# Altium PCB ZCTX-31main190715 - 副本.PcbDoc (continued)
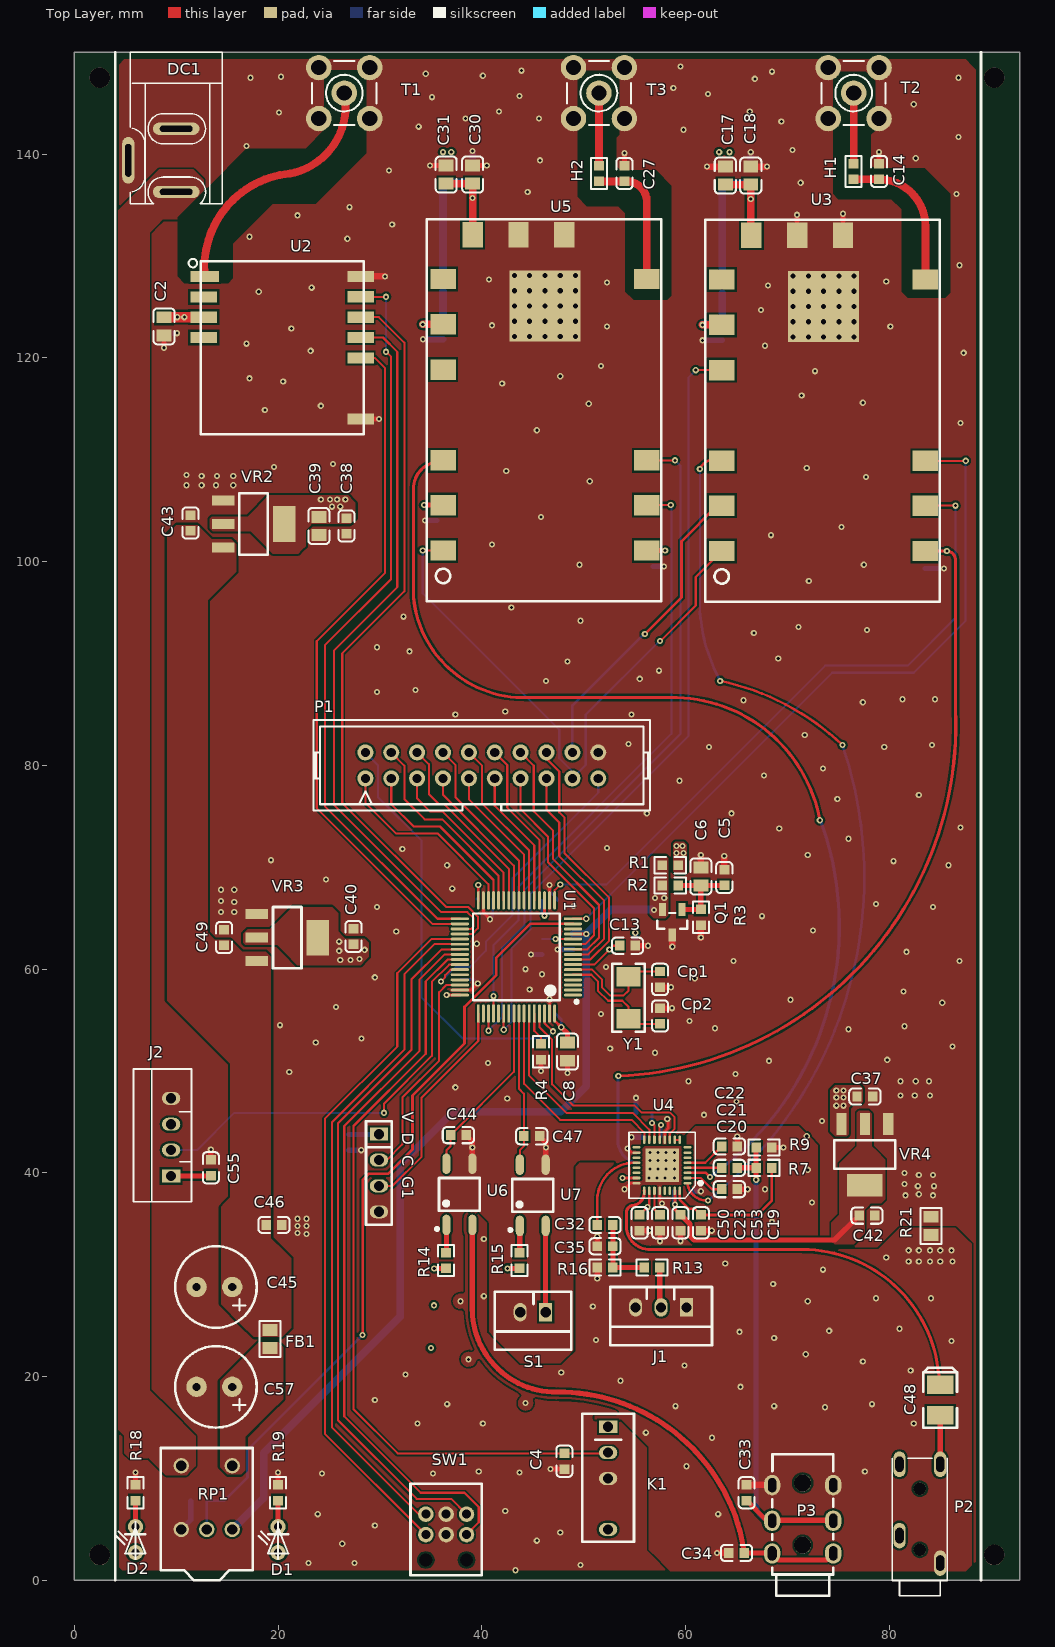
[diagram p0: Top Layer view]
## Footprints (in the part's own frame and the unit in brackets; to place one, negate y for a bottom-side part, rotate by r counter-clockwise, add the part's x,y. Pads: shape width x height; smd on the part's side, far side on the other; paste and mask are expansions set on the pad) (continued)
XD_KG [mil]
  round 60 hole 35: 1(-78.74,0) 2(0,0) 3(78.74,0) 4(-78.74,78.74) 5(0,78.74) 6(78.74,78.74)
  round 0 hole 51.18: 7(-78.74,-98.43) 8(78.74,-98.43)
  silkscreen extent -138,-157 138,197
XH2.54-4P [mm]
  rect 1.27x1.8 hole 1: 1(0,0)
  oval 1.27x1.8 hole 1: 2(2.54,0) 3(5.08,0) 4(7.62,0)
  silkscreen extent -2.54,-2 10.5,3.7
XH-2 [mm]
  rect 1.27x1.8 hole 1: 1(0,0)
  oval 1.27x1.8 hole 1: 2(2.5,0)
  silkscreen extent -2.5,-2 5,3.7
XH-3 [mm]
  rect 1.27x1.8 hole 1: 1(0,0)
  oval 1.27x1.8 hole 1: 2(2.5,0) 3(5,0)
  silkscreen extent -2.5,-2 7.5,3.7

## Part data
C1 C3 C4 C5 C7 C16 C24 C26 C29 C34 C36 C37 C38 C40 C41 C42 C43 C44 C46 C47 C49 C51 C53 C54 C55 C56: library part "0603 100nF (104) 10% 50V", "贴片电容"
C2 C6 C8 C17 C30 C39: library part "0805 10uF (106) 10% 25V", "贴片电容"
C9 C10 C11 C12 C35: library part "0603 10nF (103) 10% 50V", "贴片电容"
C13 C20 C21 C22 C32: library part "0603 1uF (105) 10% 50V", "贴片电容"
C14 C27: library part "0603 2.0pF (020) 0.25pF 50V", "贴片电容"
C18 C31: library part "0805 100nF(104) 10% 50V", "贴片电容"
C19 C23: library part "0603 4.7uF (475) 10% 16V", "贴片电容"
C25 C28 C50: library part "0603 10uF (106) 10% 10V", "贴片电容"
C33: library part "0603 220pF (221) 10% 50V", "贴片电容"
C45 C57: library part C+
C48: library part "3528 100uF (107) 10% 6.3V", "钽电容"
Cp1 Cp2: library part "0603 20pF (200) 5% 50V", "贴片电容"
FB1 R21: library part "0805 600Ω 25% 100MHz", "贴片磁珠"
H1 H2: library part "0603 12nH 5%", "贴片电感"
P1: "Header, 10-Pin, Dual row"
P3: library part PHONE3
Q1: "电压基准"
R1: library part "0603 100Ω (1000) 1%", "贴片电阻"
R2: library part "0603 2KΩ (2001) 1%", "贴片电阻"
R3 R11 R13: library part "0603 10KΩ (1002) 1%", "贴片电阻"
R4 R5 R6 R12: library part "0603 4.7KΩ (4701) 1%", "贴片电阻"
R7: library part "0603 680Ω (6800) 1%", "贴片电阻"
R8 R17 R20: library part "0603 0Ω (0R0) 1%", "贴片电阻"
R9: library part "0603 47KΩ (4702) 1%", "贴片电阻"
R10: library part "0603 10Ω (10R0) 1%", "贴片电阻"
R14 R15 R18 R19: library part "0603 1KΩ (1001) 1%", "贴片电阻"
R16: library part "0603 2.2KΩ (2201) 1%", "贴片电阻"
U1: "ARM"
U6 U7: library part EL357N(B)(TA)-G_[C6649], "贴片光耦"
VR2 VR3 VR4: library part "SOT-223 AMS1117-3.3", "低压差线性稳压(LDO)"
Y1: library part "SMD-5032_2P 8MHz 20ppm 20pF", "贴片晶振"

## Free pads (board coordinates)
  round 2 hole 2: 0(2.5,2.5) 0(2.5,147.5) 0(90.3,2.5) 0(90.3,147.5)

## Via types
v1: diameter 0.61, hole 0.305, Top Layer to Bottom Layer, 429 vias

## Nets (pads, with @x,y where several pads share a name; then routed paths per layer and width w, separated by ;. In a path a pad name is that pad's centre, name@x,y a point inside that pad or via, vN(x,y) a via of type N, cw(c..) or ccw(c..) an arc to the next point about the centre after c; other vN are vias at no path point)
ADC1: C1.2 RP1.12 U1.15 | length 79
  Top Layer w0.254: v1(28.3,24.1) 28.3,39.3 28.9,39.9 30.8,39.9 33.2,42.3 33.2,47.6 38.3,52.7 38.3,56.3 41.4,59.4 41.4,61.1 44.75,64.45 U1.15
  Bottom Layer w0.254: C1.2 14.7,7.8 17,10.1 17,12.8 v1(28.3,24.1) v1@28.3,24.2 ; RP1.12 C1.2@13,7.77
AF_OUT1: U3.3 U4.1 | length 91.6
  Top Layer w0.203: 62.2,109.9 U3.3
  Top Layer w0.254: U4.1 ccw(c62.05,39.15) v1(62.2,37.3) ; v1(61.4,109.1) cw(c62.875,108.425) U3.3 ; v1(63.4,88.3) cw(c58.246,63.905) v1(75.4,82)
  Bottom Layer w0.203: 61.4,94.9 v1(61.4,109.1)
  Bottom Layer w0.254: 61.4,95.1 ccw(c78.55,96.45) v1(63.4,88.3) ; v1(62.2,37.3) ccw(c37.103,69.01) v1(75.4,82)
AF_OUT2: U4.3 U5.3 | length 107.5
  Top Layer w0.254: U4.3 62,40 v1(62.4,39.6)
  Top Layer w0.305: U5.3@35.8,109.8 ccw(c35.9,107.2) 33.3,107.1 33.3,96.5 ccw(c44.15,97.55) 44.505,86.655 57.845,86.655 cw(c58.695,71.95) v1(73.181,74.615)
  Bottom Layer w0.305: v1(62.4,39.6) ccw(c44.9,64.2) v1@73.23,74.633
AGND: C19.1 C20.1 C22.1 C23.1 C24.1 C28.1 C33.2 C34.1 C35.2 C50.1 C53.1 J1.1 J1.3 P2.2 P3.1 R9.1 R16.1 R21.2 U4.24 U4.28 U4.33 | length 17.7
  Top Layer w0.254: v1(54,38.4) 54.6,39 U4.24 ; U4.28 57.45,37.25 v1(57.7,37)
  Top Layer w0.508: v1(51.33,29.63) R16.1 ; C35.2 v1(51.33,33.77) ; C50.1 v1(56.47,34.33) ; v1(57.5,33.3) C23.1 ; v1(59.5,33.3) C53.1 ; C19.1 v1(62.57,34.33) ; C20.1 v1(66.1,38.4) ; C22.1 v1(65.07,43.57) ; R9.1 v1(69.6,42.5)
  Top Layer w0.635: v1(63.1,2.7) C34.1 ; C33.2 68.48,9.37 P3.1@68.5,9.35
  Bottom Layer w0.508: C24.1 v1(56.47,34.33) ; C28.1 v1(61.5,38.2)
  other v1: 63.2,6.5 77.6,10.7 60.1,11.2 65.5,12.6 62.6,14 56.1,14.5 82.4,15.4 73.7,17 59,17.1 68.7,17.1 78.3,17.3 44.3,17.4 65.4,19 53.6,19.6 47.8,20.4 82.1,20.6 59.9,21.1 77.4,21.5 38.7,21.7 71.8,22.2 35,22.8 86.1,23.5 51.2,23.6 68.7,23.8 65.3,24.4 74.1,24.5 81,24.7 50.9,26.9 35.3,27 37.9,27.4 72,27.4 78.7,27.7 84.1,27.7 40.2,27.9 68.6,29.1 73.5,30.5 63.9,31.1 81.9,31.3 82.9,31.3 84,31.3 85,31.3 86.2,31.3 79.7,31.7 81.9,32.4 82.9,32.4 84,32.4 85,32.4 86.1,32.4 40.2,33.5 68.5,35.2 72.4,37.1 67.8,38.4 56.4,39.5 57.2,39.5 58,39.5 58.9,39.5 72,40.3 56.5,40.4 57.3,40.4 58.1,40.4 58.9,40.4 56.5,41.2 57.3,41.2 58.1,41.2 58.9,41.2 56.5,42 57.3,42 58.1,42 58.9,42 71.9,43.6
AUXR: C32.1 U4.20 | length 8.4
  Top Layer w0.254: C32.1 51.33,37.5 cw(c55.015,37.315) U4.20
CON1: SW1.1 U1.37 | length 69.7
  Top Layer w0.203: SW1.1 24.6,14.4 24.6,45.3 31.7,52.4 31.7,59.6 35.05,62.95 U1.37
CON2: SW1.3 U1.40 | length 71
  Top Layer w0.203: U1.40 36.35,61.45 33.9,59 33.9,52 26.5,44.6 26.5,16.1 34,8.6 38.3,8.6 39.7,7.2 39.7,5.7 SW1.3
CON3: SW1.4 U1.38 | length 66.8
  Top Layer w0.203: SW1.4 33.8,6.5 25.3,15 25.3,45 32.4,52.1 32.4,59.5 35.35,62.45 U1.38
CON4: SW1.6 U1.39 | length 68.7
  Top Layer w0.203: U1.39 36.05,61.95 33.1,59 33.1,52.1 25.9,44.9 25.9,15.7 33.6,8 37,8 SW1.6
DGND: U2.2
FRS_RXD1: U1.16 U3.16 | length 70.3
  Top Layer w0.203: U1.16 v1(50.25,64.95) ; U3.16 v1(87.5,109.9)
  Bottom Layer w0.203: v1(50.25,64.95) 74.4,89.1 82.4,89.1 87.5,94.2 v1(87.5,109.9)
FRS_RXD2: U1.51 U5.16 | length 68.5
  Top Layer w0.203: v1(40.65,53.95) U1.51 ; U5.16 v1(58.95,109.95)
  Bottom Layer w0.203: v1(40.65,53.95) 42,55.3 42,62.1 44.2,64.3 44.2,67.8 59.5,83.1 59.5,109.4 v1(58.95,109.95)
FRS_TXD1: U1.17 U3.17 | length 64.4
  Top Layer w0.203: 47.15,67.7 47.15,67.75 v1(47.7,68.3) ; U3.17 v1(86.5,105.5)
  Bottom Layer w0.203: v1(47.7,68.3) 52.2,68.3 73.7,89.8 81.8,89.8 86.5,94.5 v1(86.5,105.5)
FRS_TXD2: U1.52 U5.17 | length 59.4
  Top Layer w0.203: U1.52 v1(41.15,57.35) ; U5.17 v1(58.55,105.55)
  Bottom Layer w0.203: v1(41.15,57.35) 41.15,62.35 43.6,64.8 43.6,68.1 58.61,83.11 58.61,105.49 v1@58.6,105.5
G1: P1.2 U1.62 | length 43.3
  Top Layer w0.203: U1.62 46.15,54.7 46.95,53.9 v1(47,53.9)
  Bottom Layer w0.203: P1.2 29.8,80.04 29.8,76.9 34.1,72.6 34.1,57.2 38.1,53.2 46.3,53.2 v1(47,53.9)
G2: P1.4 U1.28 | length 19.9
  Top Layer w0.203: P1.4 32.4,79.98 32.4,76.7 34.4,74.7 36.1,74.7 41.65,69.15 U1.28
G3: P1.6 U1.26 | length 18.5
  Top Layer w0.203: P1.6 34.8,80.12 34.8,77.2 35.8,76.2 36.3,76.2 42.65,69.85 U1.26
G4: P1.8 U1.24 | length 17.6
  Top Layer w0.203: P1.8 37.4,80.06 37.4,76.9 43.65,70.65 U1.24
G5: P1.10 U1.22 | length 17
  Top Layer w0.203: P1.10 40,80 40,76.3 44.65,71.65 U1.22
G6: P1.12 U1.20 | length 16.3
  Top Layer w0.203: P1.12 42.5,80.04 42.5,78 42.5,75.85 45.65,72.7 U1.20
G7: P1.14 U1.10 | length 24.4
  Top Layer w0.203: P1.14 45.1,79.98 45.1,75.5 47,73.6 47,70.8 51.5,66.3 51.5,63.1 50.35,61.95 U1.10
G8: P1.16 U1.8 | length 24.7
  Top Layer w0.203: P1.16@46.35,80.65 47.6,79.4 47.6,75.4 48.1,74.9 48.1,71.4 52.5,67 52.5,62.8 50.65,60.95 U1.8
GND: "V  D  C  G1.4" C1.1 C2.1 C3.2 C4.1 C5.1 C6.1 C7.2 C8.1 C9.2 C10.2 C11.2 C12.2 C13.2 C14.1 C16.1 C17.1 C18.2 C26.1 C27.1 C29.1 C30.1 C31.2 C36.2 C37.2 C38.2 C39.1 C40.2 C41.2 C42.2 C43.2 C44.2 C45.2 C46.2 C47.2 C49.2 C51.1 C54.1 C55.1 C56.1 C57.2 Cp1.1 Cp2.1 DC1.2 DC1.3 J2.4 K1.3 P1.20 Q1.3 R3.1 R4.2 R8.2 R10.2 R11.1 R18.1 R19.1 R21.1 RP1.11 S1.2 SW1.2 SW1.5 T1.2 T2.2 T3.2 U1.18 U1.31 U1.47 U1.63 U2.9 U2.16 U3.9 U3.10 U4.12 U4.18 U5.9 U5.10 U6.3 U7.3 VR2.1 VR3.1 VR4.1 | length 78.2
  Top Layer w0.229: v1(54.292,42.4) 54.3,42.4 54.7,42 U4.18 ; U4.12 57.95,44.05 58.3,44.4 58.3,45.2 v1(58.2,45.3)
  Top Layer w0.254: U1.63 v1(46.65,57.05)
  Top Layer w0.279: U1.47 38.95,57.95 v1(39.6,58.6) ; U1.31 40.15,65.55 v1(40.8,64.9) ; U1.18 v1(46.65,68.25)
  Top Layer w0.508: R18.1 v1(6,10.6) ; v1(8.8,121) C2.1 ; C55.1 v1(13.4,42.3) ; R19.1 v1(20,10.6) ; U2.9 v1(29.898,114.002) ; v1(34.91,138.89) C31.2 ; C44.2 39.07,43.1 v1(39.07,42.5) U6.3 ; C30.1 v1(40.49,138.89) ; C47.2 46.27,43 v1@46.27,42.5 ; v1(45.8,50) R4.2 ; U7.3 v1@46.27,42.5 ; v1(46.3,42.5) v1@46.27,42.5 ; v1(46.73,10.93) C4.1 ; v1(48.4,49.8) C8.1 ; C27.1 v1(54,140.1) ; C13.2 v1(56.3,62.3) ; Cp2.1 v1(58.67,56.17) ; Cp1.1 v1(58.57,58.23) ; U3.9@70.95,132.05 v1(70.95,134.05) ; U3.10 v1(75.45,134.15) ; C14.1 v1(79,140.2)
  Top Layer w0.635: U2.16 v1(30.496,127.996) ; v1(58.7,62.2) Q1.3 ; v1(61.5,63.1) R3.1 ; C6.1 v1(61.5,71.2) ; v1(62.11,138.79) C17.1 ; C5.1 v1(63.8,71.1) ; C18.2 v1(67.99,138.79)
  Bottom Layer w0.279: C9.2 39.23,58.97 v1(39.6,58.6) ; v1(40.8,64.9) 41.07,65.17 C10.2 ; v1(46.65,68.25) 46.65,67.65 47.42,66.88 C11.2
  Bottom Layer w0.508: C3.2 v1(10.07,122.43) ; RP1.11 11.43,5.93 C1.1 ; C56.1 v1(28.17,42.23) ; v1(34.43,104.03) R11.1 ; v1(44.83,61.43) R8.2 ; v1(47.43,61.93) C51.1 ; v1(54.7,43.5) C54.1 ; C26.1 v1(55.13,47.37) ; R10.2 v1(57.87,99.53) ; v1(61.67,121.73) C16.1 ; C7.2 v1(85.375,99.325)
  Bottom Layer w0.635: v1(34.23,121.83) C29.1 ; C36.2 v1(39.1,140.3) ; C41.2 v1(66.4,140.2)
  other v1: 43.3,1 49.7,1.5 23,1.7 27.5,1.7 26.3,3.6 45.4,3.9 47.7,4.7 29.5,5.4 23.9,6.5 42.3,6.8 24.3,10.5 35.2,10.5 43.7,10.6 39.7,10.7 33.7,15.4 40.1,15.4 36.6,17.3 29.5,17.7 32.5,20.2 22.8,34 21.9,34.1 21.9,34.8 22.8,34.8 21.9,35.5 22.8,35.5 81.6,37.8 84.3,37.8 82.9,37.9 82.8,38.7 84.4,38.7 81.5,38.9 82.9,39.8 84.3,39.8 81.5,40 73.4,45.1 61.8,45.7 65,47 42.5,47.3 81.1,47.6 82.5,47.6 84,47.6 37.4,48.4 60.3,49 81.1,49 82.6,49 83.9,49 64.9,49.7 21.1,49.9 40.6,50.8 68.2,51 79.8,51.1 57,51.8 52.6,52.2 86.2,52.4 23.7,52.8 28.2,53.2 76,54.1 62.9,54.2 81.5,54.4 20.2,54.5 60.4,54.9 51.7,55.6 25.7,56.3 85.2,56.7 70.3,57 81.4,57.8 44.7,58 60.9,59.1 29.5,59.2 45.9,59.5 44.3,60 52.2,60.2 64.7,60.8 86.9,60.8 81.7,61.7 39.5,62.5 31.6,63.7 72.5,63.8 67.5,65.2 14.4,65.6 15.7,65.6 29.7,66.1 84.3,66.1 49,66.2 78.7,66.4 15.7,66.6 14.4,66.7 14.4,67.8 15.7,67.8 37.1,67.9 24.7,68.8 36.6,70.2 85.8,70.2 80.4,70.6 19.3,70.7 72,71.2 32.2,71.8 52.3,71.9 76,72.8 69.2,73.8 87,73.9 56.2,75.3 64.5,75.3 74.9,76.7 82.9,77.1 59.4,78.5 67.7,79 73.5,79.7 62.3,81.8 79.5,81.8 84.2,82 54.4,82.1 71.7,83 37.4,85 54.7,85 42.3,85.3 77.4,86.2 65.7,86.4 81.3,86.5 84.5,86.5 29.7,87.2 33.5,87.4 46.3,88.3 55.5,88.5 57.4,89.3 48.4,90.2 69.1,90.5 32.9,91.2 29.7,91.6 66.7,93 77.8,93.3 71.1,93.6 49.7,94.2 32.3,94.6 42.9,95.5 72.1,98.1 49.6,99.7 77.5,99.7 41,101.7 68.4,102.6 75.3,103.4 45.8,104.4 11,107.5 12.5,107.5 13.9,107.5 15.6,107.5 50.6,107.9 77.7,108.3 12.5,108.4 14,108.4 15.6,108.4 11,108.5 42.4,108.9 71.9,109.2 19.6,109.3 25.4,109.6 45.4,112.9 87,113.6 18.7,114.9 24.2,115.3 50.5,115.5 77.4,115.6 71.4,116.3 42,117.5 20.5,117.7 17.2,118 47.7,118.2 72.7,118.7 51.7,119.2 87.3,120.5 23.2,120.7 67.8,121.2 16.9,121.4 21.3,122.9 52.3,123.1 80.1,123.1 41,123.2 67.4,124.7 18.1,126.5 23.3,126.9 68.1,127.1 52.3,127.4 79.7,127.5 40.7,127.7 86.9,129.1 26.8,131.7 17.2,131.9 31.2,133.1 21.9,134 27,134.8 86.6,136.1 44.5,136.3 71.3,137.2 30.9,138.4 45.7,139.4 82.6,139.6 70.5,140.4 16.9,140.8 86.8,141.7 59.8,142.4 33.8,142.7 69.4,143.2 38.4,143.5 45.6,143.5 20.1,144.1 41.7,144.2 66.3,144.2 82.4,144.9 35.1,145.6 43.7,145.7 62.2,145.9 58.8,146.5 66.8,147.4 17.3,147.5 86.8,147.5 20.3,147.6 40.1,147.7 34.5,147.9 68.5,148.1 43.9,148.2 59.5,148.6
I2C_CLK: U1.58 U4.16 | length 21.4
  Top Layer w0.203: U1.58 44.15,48.75 47.7,45.2 54.7,45.2 55.95,43.95 U4.16
I2C_CS: U1.59 U4.15 | length 21.1
  Top Layer w0.203: U1.59 44.65,49.55 48.3,45.9 54.8,45.9 56.45,44.25 U4.15
I2C_DIN: U4.17
MCLK: U1.61 U4.11 | length 23.2
  Top Layer w0.203: U1.61 45.65,54.32 46.9,53.07 46.9,48.7 49,46.6 55,46.6 55.69,45.91 57.947,45.91 58.49,45.91 58.9,45.5 58.9,44.3 58.45,43.85 U4.11
MIC_IN: C7.1 C25.2 U3.18 | length 84
  Top Layer w0.305: v1(53.4,49.5) ccw(c52,84) 86.5,85.4 86.5,100.1 ccw(c85.6,100.15) v1(85.65,101.05) U3.18
  Bottom Layer w0.305: v1@53.372,49.472 53.372,43.403 ccw(c55.615,43.185) C25.2 ; C7.1 83.525,101.05 v1(85.65,101.05)
MICBIAS: C19.2 R7.2 U4.32 | length 14.3
  Top Layer w0.254: U4.32 59.45,37.35 60.3,36.5 60.87,36.5 C19.2 67.07,35.87 68.47,37.27 R7.2
MISO: U1.35 U2.13 | length 71.8
  Top Layer w0.203: U2.13 30.298,122.002 31.7,120.6 31.7,97.5 25.5,91.3 25.5,76.1 36,65.6 38.589,65.6 39.2,64.989 39.2,64.2 38.95,63.95 U1.35
MOSI: U1.36 U2.14 | length 74.1
  Top Layer w0.203: U2.14 29.898,124.002 32.4,121.5 32.4,97.1 26.3,91 26.3,76.3 36.5,66.1 38.664,66.1 39.606,65.157 39.606,64.006 39.05,63.45 U1.36
NetC5_2: C5.2 C6.2 Q1.1 R2.1 R3.2 | length 8.7
  Top Layer w0.508: R2.1 C6.2@61.5,68.2 ; Q1.1 R3.2@61.48,65.85 ; R3.2 C6.2@61.5,68.2 ; C6.2 C6.2@61.5,68.2 ; C5.2 63.77,68.2 C6.2@61.5,68.2
NetC13_1: C13.1 R5.1 U1.7 | length 6.5
  Top Layer w0.203: U1.7 51.05,60.45 52.5,61.9 v1(52.517,61.917) 52.9,62.3 C13.1
  Bottom Layer w0.203: v1(52.517,61.917) 52.9,62.3 R5.1
NetC14_2: C14.2 H1.1 U3.12 | length 15
  Top Layer w0.762: H1.1 C14.2 cw(c78.96,132.94) 83.55,132.9 ; U3.12 83.55,133
NetC16_2: C16.2 R6.2 U3.6 | length 6.9
  Top Layer w0.762: v1(61.65,123.25) U3.6
  Bottom Layer w0.762: v1@61.67,123.27 C16.2 R6.2
NetC20_2: C20.2 U4.2 | length 3.8
  Top Layer w0.229: U4.2 61.5,39.5 62.6,38.4 C20.2
NetC21_2: C21.2 U4.4 | length 3.3
  Top Layer w0.254: U4.4 C21.2
NetC22_2: C22.2 U4.5 | length 4
  Top Layer w0.229: U4.5 61.93,41 C22.2
NetC23_2: C23.2 U4.27 | length 2.6
  Top Layer w0.229: U4.27 56.95,36.42 C23.2
NetC25_1: C25.1 U4.23 | length 2.8
  Top Layer w0.254: v1(53.8,39.5) U4.23
  Bottom Layer w0.254: v1(53.8,39.5) 55.13,39.5 C25.1
NetC27_2: C27.2 H2.1 U5.12 | length 13.4
  Top Layer w0.762: H2.1 C27.2 cw(c54.185,135.315) 56.2,135.5 U5.12
NetC29_2: C29.2 R12.2 U5.6 | length 7.2
  Top Layer w0.762: v1(34.2,123.3) U5.6
  Bottom Layer w0.762: v1(34.2,123.3) 36.13,123.3 C29.2 R12.2
NetC32_2: C32.2 C35.1 R13.2 R16.2 | length 7.3
  Top Layer w0.508: C32.2 R16.2 R13.2
NetC48_2: C48.2 P2.4 | length 4.8
  Top Layer w0.508: P2.4 C48.2
NetC57_1: C57.1 FB1.1 RP1.2
NetCp1_2: Cp1.2 U1.6 Y1.1 | length 11.1
  Top Layer w0.203: U1.6 50.825,59.95 51.806,58.968 51.806,58.194 52.6,57.4 53.9,57.4 54.4,57.9 Y1.1 ; Y1.1@54.92,59.77 Cp1.2
NetCp2_2: Cp2.2 U1.5 Y1.2 | length 11
  Top Layer w0.203: U1.5 50.75,59.45 51.4,58.8 51.4,57.9 52.4,56.9 53.7,56.9 53.8,56.9 54.4,56.3 Y1.2 ; Y1.2@54.92,54.63 Cp2.2
NetD1_2: D1.2 R19.2 | length 2.6
  Top Layer w0.508: D1.2 R19.2
NetD2_2: D2.2 R18.2 | length 2.6
  Top Layer w0.508: D2.2 R18.2
NetDC1_1: DC1.1 RP1.1
NetH1_2: H1.2 T2.1 | length 6.9
  Top Layer w0.762: H1.2 T2.1
NetH2_2: H2.2 T3.1 | length 7.1
  Top Layer w0.762: H2.2 T3.1
NetJ1_2: J1.2 R13.1 | length 3.8
  Top Layer w0.508: J1.2@57.47,26.93 R13.1
NetR4_1: R4.1 U1.60 | length 3.2
  Top Layer w0.203: U1.60 45.15,53.95 45.8,53.3 R4.1
NetR8_1: R8.1 U1.12 | length 3
  Top Layer w0.203: v1(47.25,62.95) U1.12
  Bottom Layer w0.203: R8.1 v1@47.23,62.97
NetR10_1: R10.1 U5.18 | length 3
  Top Layer w0.508: U5.18 v1(58,101.1)
  Bottom Layer w0.508: R10.1 56.83,101.1 v1(58,101.1)
NetR11_2: R11.2 U5.2 | length 3.1
  Top Layer w0.508: v1(34.35,105.55) U5.2
  Bottom Layer w0.508: v1(34.35,105.55) 34.37,105.57 R11.2
NetR14_1: R14.1 U6.1 | length 2.6
  Top Layer w0.508: R14.1@36.53,32.3 U6.1
NetR15_1: R15.1 U7.1 | length 2.6
  Top Layer w0.508: R15.1@43.73,32.2 U7.1
NetS1_1: S1.1 U7.2 | length 8.5
  Top Layer w0.5: S1.1 U7.2
NetT1_1: T1.1 U2.1 | length 25.2
  Top Layer w0.762: U2.1 cw(c22.049,128.851) 21.2,138.1 ccw(c19.9,144.7) T1.1
NetU4_9: U4.9 U4.10 | length 0.5
  Top Layer w0.203: U4.10 U4.9
NSS: U1.33 U2.15 | length 73.2
  Top Layer w0.203: U2.15 v1@30.598,126.002 ; v1(30.6,120.6) 31.1,120.1 31.1,98.3 24.6,91.8 24.6,76 35.65,64.95 U1.33
  Bottom Layer w0.203: v1(30.6,120.6) v1(30.6,126)
OUTR: C48.1 U4.25 | length 43.6
  Top Layer w0.305: U4.25 cw(c54.65,38.1) 54.8,36.8 ccw(c54.9,36.1) 54.2,36 54.2,34.5 ccw(c56.5,34.8) 56.601,32.483 70.883,32.483 cw(c71.4,18.983) C48.1@84.9,19.5
PPT_IN: C34.2 P3.3 U6.2 | length 57
  Top Layer w0.508: U6.2 39.07,26.5 ccw(c47.24,26.659) 47.399,18.489 cw(c47.535,0.065) C34.2 68.45,2.7 68.5,2.65 69.15,2 73.85,2 P3.3@74.5,2.65
PPT_IN1: C47.1 U1.57 U7.4 | length 15.2
  Top Layer w0.203: U1.57 43.65,48.25 44.13,47.77 C47.1 44.13,42.63 43.73,42.23 U7.4
PPT_IN2: C44.1 U1.56 U6.4 | length 17.5
  Top Layer w0.203: U6.4 36.53,42.23 36.93,42.63 C44.1 43.15,49.92 U1.56
PPT_OUT: U1.54 U3.5 | length 76.7
  Top Layer w0.203: v1(42.15,54.05) U1.54 ; v1(61,118.8) U3.5
  Bottom Layer w0.203: v1(42.15,54.05) 42.9,54.8 42.9,62 44.8,63.9 44.8,67.4 60.3,82.9 60.3,118.1 v1(61,118.8)
R1: P1.1 U1.30 | length 19.4
  Top Layer w0.203: P1.1 28.57,76.33 31.6,73.3 35.7,73.3 40.65,68.35 U1.30
R2: P1.3 U1.29 | length 17.7
  Top Layer w0.203: P1.3 31.11,76.19 33.3,74 35.9,74 41.15,68.75 U1.29
R3: P1.5 U1.27 | length 16.2
  Top Layer w0.203: P1.5 33.65,76.75 34.9,75.5 36.1,75.5 42.15,69.45 U1.27
R4: P1.7 U1.25 | length 14.9
  Top Layer w0.203: P1.7 36.19,77.11 43.15,70.15 U1.25
R5: P1.9 U1.23 | length 14.2
  Top Layer w0.203: P1.9 38.73,76.67 44.15,71.25 U1.23
R6: P1.11 U1.21 | length 13.6
  Top Layer w0.203: P1.11 41.27,76.03 45.15,72.15 U1.21
R7: P1.13 U1.11 | length 20.8
  Top Layer w0.203: P1.13 43.81,75.69 46.5,73 46.5,70.5 51,66 51,63.3 50.15,62.45 U1.11
R8: P1.15 U1.9 | length 21.8
  Top Layer w0.203: P1.15 46.35,75.65 47.6,74.4 47.6,71.1 52,66.7 52,63 50.45,61.45 U1.9
RXD: P1.19 U1.43 | length 29.6
  Top Layer w0.203: v1(36,58.8) 36.4,59.2 36.4,59.4 36.95,59.95 U1.43
  Bottom Layer w0.203: v1(36,58.8) 37.4,60.2 38.8,60.2 40.4,61.8 40.4,62.7 43,65.3 43,68.9 51.43,77.33 P1.19
SCK: U1.34 U2.12 | length 67.5
  Top Layer w0.203: U2.12 29.498,120.002 30.507,118.993 30.507,98.907 23.8,92.2 23.8,75.8 35.15,64.45 U1.34
SQ: P1.17 U3.1 U5.1 | length 59.4
  Top Layer w0.203: v1(34.2,101.1) U5.1 ; P1.17 P1.17@48.89,79.31 ; v1(57.5,92.2) 61,95.7 61,98.5 U3.1
  Bottom Layer w0.203: v1(34.2,101.1) 34.2,96.9 47,84.1 47.6,83.5 47.6,80.7 48.89,79.41 P1.17 50.2,80.04 50.2,85 v1@57.4,92.2
SWD: "V  D  C  G1.2" U1.46 | length 21.7
  Top Layer w0.203: 29.9,41.26 30.66,41.26 32.2,42.8 32.2,47.4 35.806,51.006 35.806,57.744 36.512,58.45 U1.46
TXD: J2.2 U1.42 | length 40.7
  Top Layer w0.203: v1(30.4,45.9) 30.4,46.8 35.1,51.5 35.1,58.762 36.788,60.45 U1.42
  Bottom Layer w0.203: J2.2 12.04,42.24 15.7,45.9 v1(30.4,45.9)
V_RF1: C17.2 C18.1 C41.1 R6.1 R20.1 U3.8 | length 20.8
  Top Layer w0.762: C17.2 C18.1 66.4,134.3 U3.8@66.4,132.1
  Bottom Layer w0.762: R6.1 63.6,135.4 63.6,136.83 R20.1 C41.1 v1(66.4,135.6)
V_RF2: C30.2 C31.1 C36.1 R12.1 R17.1 U5.8 | length 20.8
  Top Layer w0.762: C31.1 C30.2 U5.8
  Bottom Layer w0.762: R12.1 36.2,135.3 36.2,136.83 R17.1 ; R17.1@36.6,137.23 C36.1 v1(39.1,135.7)
VBAT: C24.2 C37.1 C43.1 C45.1 C46.1 C49.1 C50.2 FB1.2 R14.2 R15.2 U4.26 VR2.3 VR3.3 VR4.3 | length 5.9
  Top Layer w0.254: C50.2 v1(56.265,36.635) ; v1@56.45,36.82 U4.26
  Top Layer w0.508: v1(35.33,30.63) R14.2 ; v1(42.53,30.63) R15.2
  Bottom Layer w0.305: C24.2 v1(56.265,36.635)
  other v1: 74.8,46.6 75.5,46.6 74.8,47.4 75.5,47.4 74.8,48.1 75.5,48.1
VCC: C2.2 C3.1 C38.1 C39.2 R17.2 R20.2 U2.3 VR2.2 | length 6.4
  Top Layer w1: C2.2 8.812,124.002 U2.3
  Bottom Layer w0.635: C3.1@8.83,124 v1(10.1,124) ; 9.53,124 v1(10.8,124)
  other v1: 25.3,105.4 26.1,105.4 24.2,106.1 25.1,106.1 25.8,106.1 26.6,106.1 36.2,140.2 37,140.2 63.3,140.2 64.3,140.2
VDD: "V  D  C  G1.1" C8.2 C9.1 C10.1 C11.1 C12.1 C26.2 C40.1 C54.2 C55.2 C56.2 D1.1 D2.1 J2.1 R1.2 R5.2 U1.19 U1.32 U1.48 U1.64 U4.13 U4.14 VR3.2 | length 27.4
  Top Layer w0.229: v1(56.7,44.9) 56.95,44.65 U4.14 ; U4.13 57.45,44.55 v1(57.6,44.7)
  Top Layer w0.279: v1(36.55,57.45) U1.48 ; U1.32 v1(39.65,68.25) ; v1(46.15,65.25) U1.19 ; U1.64 47.15,54.95 v1(47.8,54.3)
  Top Layer w0.508: J2.1 C55.2@13.33,39.7 ; v1(47.8,54.3) 48.4,53.7 C8.2
  Bottom Layer w0.279: v1(36.55,57.45) 36.57,57.43 C9.1 ; C10.1 39.65,67.02 v1(39.65,68.25) ; C11.1 45.88,65.52 v1(46.15,65.25) ; C12.1 47.8,55.07 v1(47.8,54.3)
  Bottom Layer w0.305: C26.2 56.7,45.87 v1(56.7,44.9) ; C54.2 57.6,43.63 v1(57.6,44.7)
  Bottom Layer w0.508: C56.2 29.87,43.77 29.9,43.8 ; R5.2 v1(55.07,63.57)
  other v1: 26.1,60.9 27.1,60.9 28,61 26,61.8 28.5,61.9 26,62.7 59.1,71.4 59.8,71.4 59.1,72.1 59.7,72.1
VDDA: C51.2 Q1.2 R1.1 R2.2 RP1.13 U1.13 | length 89
  Top Layer w0.279: U1.13 v1(50.25,63.45)
  Bottom Layer w0.762: RP1.13 18.6,8.1 18.6,12.5 32,25.9 32,40.8 37.2,46 47.75,46 50.25,48.5 v1(50.25,63.45) ; C51.2 50.27,63.47 52.65,65.85 v1@56.65,65.85
  other v1: 56.9,65.8 57,67 57.9,67
VEE: C28.2 C42.1 C53.2 U4.31 VR4.2 | length 24.1
  Top Layer w0.305: U4.31 v1(58.95,36.9) 58.95,36.42 C53.2
  Top Layer w0.508: C53.2 59.562,35.87 60.447,34.984 60.447,33.781 60.828,33.4 74.63,33.4 C42.1
  Bottom Layer w0.508: v1@58.93,36.92 C28.2
VOLC: C4.2 K1.2 U1.41 | length 76
  Top Layer w0.203: U1.41 36.65,60.95 34.5,58.8 34.5,51.7 27.4,44.6 27.4,16.8 31.73,12.47 C4.2 52.33,12.47 K1.2
VOX_DET: P1.18 U3.2 | length 30.7
  Top Layer w0.254: v1(56,92.9) 59.6,96.5 59.6,102 63.1,105.5 U3.2
  Bottom Layer w0.254: P1.18 48.89,85.89 v1@56,93
WCK: "V  D  C  G1.3" U1.49 | length 21.7
  Top Layer w0.203: 29.9,38.72 31.22,38.72 34.1,41.6 34.1,47.4 39.65,52.95 U1.49
WM8978MIC: C21.1 C33.1 P3.2 R7.1 R9.2 | length 49
  Top Layer w0.508: C21.1 R7.1 ; C33.1 67.98,5.85 P3.2@68.5,5.85 ; v1(66.93,39.33) R7.1 ; R9.2 R7.1 ; P3.2@68.45,5.9 74.45,5.9 P3.2@74.5,5.85
  Bottom Layer w0.508: 66.93,7.4 v1(66.93,39.33) ; 66.93,7.7 ccw(c68.605,7.525) P3.2@68.43,5.85
pads on no net: J2.3 K1.1 K1.5 P2.0 P2.3 P2.5 P3.0 SW1.7 SW1.8 U1.1 U1.2 U1.3 U1.4 U1.14 U1.44 U1.45 U1.50 U1.53 U1.55 U2.4 U2.5 U2.6 U2.7 U2.8 U2.10 U2.11 U3.4 U3.7 U3.11 U3.13 U3.14 U3.15 U4.6 U4.7 U4.8 U4.19 U4.21 U4.22 U4.29 U4.30 U5.4 U5.5 U5.7 U5.11 U5.13 U5.14 U5.15

## Polygon pours and split planes (outlines as drawn)
VDDA on Top Layer "Top Layer-No Net" (solid, remove dead copper, pour order 22): 56.5,70.6 56.5,68 56.5,65.4 56.8,65.1 56.9,65 57.5,65 58,65 58.2,65.2 58.3,65.3 58.3,68.2 58.3,70.9 58.1,71.1 57.8,71.1 56.7,71.1 56.5,70.9 56.5,70.6
VDD on Top Layer "Top Layer-No Net" (solid, remove dead copper, pour order 20): 58.8,71.5 58.8,69.6 58.9,69.5 59,69.4 59.4,69.4 59.9,69.4 60,69.5 60.1,69.6 60.1,70.5 60.1,72.2 59.9,72.4 59.8,72.5 59.4,72.5 59,72.5 58.9,72.4 58.8,72.3 58.8,71.5
NetDC1_1 on Top Layer "Top Layer-No Net" (solid, remove dead copper, pour order 18): 4.9,14.2 4.9,12.5 5.4,12 6.3,12 7.3,12 7.5,11.8 9,10.3 10.6,10.3 11,10.3 11.4,10.7 11.9,11.2 11.9,11.7 11.9,13.9 11.9,14.2 9.4,16.7 7.4,18.7 7.4,43.7 7.4,132.3 8.1,133 8.7,133.6 10.2,133.6 11.6,133.6 12.3,134.3 12.7,134.7 12.7,136.2 12.7,137.5 12.2,138 11.7,138.5 10.8,138.5 8.3,138.5 7.1,137.3 4.3,134.5 4.3,134.1 4.3,14.8 4.9,14.2
NetC57_1 on Top Layer "Top Layer-No Net" (solid, remove dead copper, pour order 16): 14.3,19.2 14.3,15.8 14.3,11.1 14.7,10.7 15,10.4 15.5,10.4 16.4,10.4 16.6,10.6 16.8,10.8 16.8,11.3 16.8,14.1 19.2,16.5 20.5,17.8 20.5,22 20.5,22.9 20.1,23.3 20,23.4 19.6,23.4 18.1,23.4 17.6,22.9 14.3,19.6 14.3,19.2
VBAT on Top Layer "Top Layer-No Net" (solid, remove dead copper, pour order 14): 14.4,29.7 14.4,27.1 16.4,25.1 17.6,23.9 19,23.9 20.4,23.9 20.7,24.2 21.3,24.8 21.3,25.9 21.3,31.6 20.5,32.4 19.3,33.6 19.3,35.8 19.3,61.2 19,61.5 18.8,61.7 18.1,61.7 16.5,61.7 15.6,62.6 15.3,62.9 14.8,62.9 13.8,62.9 13.5,63.2 13.1,63.6 13.1,64 13.1,96.2 15.4,98.5 15.9,99 15.9,101 15.9,101.7 15.6,102 15.4,102.2 14.8,102.2 13.5,102.2 12.8,102.9 12.1,103.6 11.8,103.6 10,103.6 9.3,102.9 9.1,102.7 9.1,102.1 9.1,56.9 12,54 15.3,50.7 15.3,40.7 15.3,37.6 14.7,37 14.4,36.7 14.4,29.7
VEE on Top Layer "Top Layer-No Net" (solid, remove dead copper, pour order 12): 76.8,45.2 76.8,42.6 75.7,41.5 75.1,40.9 75.1,39.9 75.1,35.9 74.8,35.6 74.3,35.1 74.3,33.6 74.3,33.33 74.43,33.2 74.63,33 75.4,33 76.5,33 77.2,33.7 77.6,34.1 77.6,35.3 77.6,36.4 77.9,36.7 78.2,37 78.7,37 79.2,37 79.5,37.3 79.6,37.4 79.6,37.9 79.6,41.3 78.7,42.2 78.3,42.6 78.3,44 78.3,45.8 78.1,46 78,46.1 77.7,46.1 77,46.1 76.9,46 76.8,45.9 76.8,45.2
VDD on Top Layer "Top Layer-No Net" (solid, remove dead copper, pour order 10): 16.6,63.5 16.6,62.6 16.7,62.5 16.8,62.4 17.5,62.4 19.9,62.4 20.7,61.6 21.9,60.4 23.1,60.4 28.1,60.4 28.6,60.9 28.9,61.2 28.9,61.7 28.9,62.6 28.7,62.8 28.5,63 28,63 26.6,63 26.3,63.3 25.9,63.7 25.9,64.3 25.9,65.5 25.5,65.9 25.3,66.1 24.3,66.1 21.4,66.1 20.4,65.1 19.2,63.9 17.9,63.9 17,63.9 16.6,63.5
VBAT on Top Layer "Top Layer-No Net" (solid, remove dead copper, pour order 8): 76,48.6 74.7,48.6 74.2,48.1 74.2,47.1 74.2,44.1 74.6,43.7 74.7,43.6 75.2,43.6 75.8,43.6 75.9,43.7 76,43.8 76,44.2 76,46.4 76.1,46.5 76.4,46.8 76.7,46.8 77.2,46.8 77.3,46.9 77.4,47 77.4,47.3 77.4,48.3 77.1,48.6 76,48.6
VCC on Top Layer "Top Layer-No Net" (solid, remove dead copper, pour order 6): 13.3,104 13.3,103.3 13.5,103.1 13.6,103 14.2,103 17.3,103 18.5,101.8 19.5,100.8 20.9,100.8 22,100.8 22.3,101.1 22.7,101.5 22.7,101.8 22.7,103.1 23.1,103.5 23.3,103.7 23.8,103.7 27.1,103.7 27.4,104 27.6,104.2 27.6,104.7 27.6,105.8 27.4,106 26.9,106.5 25.9,106.5 19.1,106.5 17.1,104.5 17,104.4 16.4,104.4 13.5,104.4 13.4,104.3 13.3,104.2 13.3,104
AGND on Top Layer "Top AGND" (solid, remove dead copper, pour order 4): 49.2,40.6 49.2,22.5 48.5,21.8 47.8,21.1 45.3,21.1 43.7,21.1 41.6,23.2 40.5,24.3 40.5,32.5 40.5,35.1 39.8,35.8 39.5,36.1 38.9,36.1 34.9,36.1 34.3,35.5 33.4,34.6 33.4,32.3 33.4,22.4 39.5,16.3 40,15.8 47.3,15.8 53.7,15.8 54.5,15 56.4,13.1 56.4,9.2 56.4,3.1 56.4,3 58,1.4 58.5,0.9 86,0.9 87.5,0.9 88.1,1.5 88.1,6.2 88.1,33 87.6,33.5 86.5,34.6 83,34.6 81,34.6 79.8,33.4 78.9,32.5 75.8,32.5 74.2,32.5 73.7,33 73,33.7 73,35.5 73,42.7 71.8,43.9 71.1,44.6 66.5,44.6 61,44.6 60.3,43.9 60.1,43.7 60.1,43 60.1,42.9 59.9,42.7 59.8,42.6 56.8,42.6 56,42.6 55.9,42.5 55.7,42.3 55.7,42.1 55.7,41.6 55.5,41.4 55.1,41 50.9,41 49.6,41 49.2,40.6
GND on Top Layer "GND" (solid, remove dead copper, pour order 2): 4.4,148 4.4,144.8 4.4,1.4 4.4,1.3 4.7,1 5.2,1 87.7,1 88.4,1.7 88.5,1.8 88.5,2.4 88.5,148.3 88.1,148.7 87.5,149.3 83.4,149.3 4.9,149.3 4.4,148.8 4.4,148
VDDA on Bottom Layer "Top Layer-No Net" (solid, remove dead copper, pour order 32): 56.4,67 56.4,66.5 56.1,66.2 56.1,65.85 56.1,65.6 56.3,65.4 56.4,65.3 56.9,65.3 57.8,65.3 58,65.5 58.3,65.8 58.3,66.4 58.3,67.2 58.1,67.4 58,67.5 57.7,67.5 56.7,67.5 56.4,67.2 56.4,67
VCC on Bottom Layer "Top Layer-No Net" (solid, remove dead copper, pour order 30): 35.8,140.3 35.8,138.3 36,138.1 36.7,138.1 37.2,138.1 37.3,138.2 37.5,138.4 37.5,139.1 37.5,140.3 37.2,140.6 36.7,140.6 36.1,140.6 35.8,140.3
VCC on Bottom Layer "Top Layer-No Net" (solid, remove dead copper, pour order 28): 62.8,140.1 62.8,138.6 62.8,138.4 63,138.2 63.7,138.2 64.5,138.2 64.7,138.4 64.8,138.5 64.8,139.7 64.8,140.4 64.5,140.7 64,140.7 63.1,140.7 62.8,140.4 62.8,140.1
AGND on Bottom Layer "Top Layer-No Net" (solid, remove dead copper, pour order 26): 49.2,40.6 49.2,22.5 48.5,21.8 47.8,21.1 45.3,21.1 43.7,21.1 41.6,23.2 40.5,24.3 40.5,32.5 40.5,35.1 39.8,35.8 39.5,36.1 38.9,36.1 34.9,36.1 34.3,35.5 33.4,34.6 33.4,32.3 33.4,22.4 39.5,16.3 40,15.8 47.3,15.8 53.7,15.8 54.5,15 56.4,13.1 56.4,9.2 56.4,3.1 56.4,3 58,1.4 58.5,0.9 86,0.9 87.5,0.9 88.1,1.5 88.1,6.2 88.1,33 87.6,33.5 86.5,34.6 83,34.6 81,34.6 79.8,33.4 78.9,32.5 75.8,32.5 74.2,32.5 73.7,33 73,33.7 73,35.5 73,42.7 71.8,43.9 71.1,44.6 66.5,44.6 61,44.6 60.3,43.9 60.1,43.7 60.1,43 60.1,42.9 59.9,42.7 59.8,42.6 56.8,42.6 56,42.6 55.9,42.5 55.7,42.3 55.7,42.1 55.7,41.6 55.5,41.4 55.1,41 50.9,41 49.6,41 49.2,40.6
GND on Bottom Layer "Top Layer-No Net" (solid, remove dead copper, pour order 24): 4.421,148.109 4.421,144.909 4.421,1.509 4.421,1.409 4.721,1.109 5.221,1.109 87.721,1.109 88.421,1.809 88.521,1.909 88.521,2.509 88.521,148.409 88.121,148.809 87.521,149.409 83.421,149.409 4.921,149.409 4.421,148.909 4.421,148.109
AGND on GND (split plane): 71.644,42.294 71.644,34 71.653,33.934 71.678,33.872 71.719,33.819 75.919,29.619 75.972,29.578 76.034,29.553 76.1,29.544 92.29,29.544 92.29,0.51 60.056,0.51 60.056,16.8 60.047,16.866 60.022,16.928 59.981,16.981 49.556,27.406 49.556,37.194 51.606,39.244 54.2,39.244 54.266,39.253 54.328,39.278 54.381,39.319 55.381,40.319 55.422,40.372 55.447,40.434 55.456,40.5 55.456,42.394 56.006,42.944 61.6,42.944 61.666,42.953 61.728,42.978 61.781,43.019 63.106,44.344 69.594,44.344
GND on GND (split plane): 92.29,30.056 76.206,30.056 72.156,34.106 72.156,42.4 72.147,42.466 72.129,42.51 72.122,42.528 72.081,42.581 69.881,44.781 69.828,44.822 69.766,44.847 69.7,44.856 63,44.856 62.934,44.847 62.872,44.822 62.819,44.781 61.494,43.456 55.9,43.456 55.834,43.447 55.772,43.422 55.719,43.381 55.019,42.681 54.978,42.628 54.953,42.566 54.944,42.5 54.944,40.606 54.094,39.756 51.5,39.756 51.434,39.747 51.372,39.722 51.319,39.681 49.119,37.481 49.078,37.428 49.053,37.366 49.044,37.3 49.044,27.3 49.053,27.234 49.078,27.172 49.119,27.119 59.544,16.694 59.544,0.51 0.51,0.51 0.51,149.49 92.29,149.49
VCC on POWER (split plane): 92.29,103.556 0.51,103.556 0.51,149.49 92.29,149.49
VBAT on POWER (split plane): 76.544,48.194 76.544,43.206 73.319,39.981 73.278,39.928 73.253,39.866 73.244,39.8 73.244,30.606 68.494,25.856 15.806,25.856 14.456,27.206 14.456,29.2 14.456,30.394 15.606,31.544 52.3,31.544 52.366,31.553 52.428,31.578 52.481,31.619 54.681,33.819 54.722,33.872 54.729,33.89 54.747,33.934 54.756,34 54.756,36.494 55.606,37.344 56.994,37.344 58.619,35.719 58.672,35.678 58.734,35.653 58.8,35.644 66.6,35.644 66.666,35.653 66.728,35.678 66.781,35.719 68.181,37.119 68.222,37.172 68.247,37.234 68.256,37.3 68.256,46.894 70.706,49.344 75.394,49.344
VDD on POWER (split plane): 92.29,0.51 0.51,0.51 0.51,103.044 92.29,103.044

## Other copper
GND (plane layer: these items are gaps in the copper):
  lines w0.508: 59.8,0 59.8,16.8 49.3,27.3 49.3,37.3 51.5,39.5 54.2,39.5 55.2,40.5 55.2,42.5 55.9,43.2 61.6,43.2 63,44.6 69.7,44.6 71.9,42.4 71.9,34 76.1,29.8 92.7,29.8 92.8,29.9
POWER (plane layer: these items are gaps in the copper):
  lines w0.508: 0,103.3 92.6,103.3 92.8,103.5 ; 14.2,27.1 14.2,29.2 14.2,30.5 15.5,31.8 52.3,31.8 54.5,34 54.5,36.6 55.5,37.6 57.1,37.6 58.8,35.9 66.6,35.9 68,37.3 68,47 70.6,49.6 75.5,49.6 76.8,48.3 76.8,43.1 73.5,39.8 73.5,30.5 68.6,25.6 15.7,25.6 14.2,27.1
Multi-Layer:
  pour cut-out: 10.1,128 10.8,127.3 15.1,127.3 15.6,127.8 15.6,131.2 19.5,135.1 23.7,135.1 28.7,140.1 28.7,147.7 28.1,148.3 25.2,148.3 24.5,147.6 24.5,142.4 22.7,140.6 16.9,140.6 10.1,133.8
  pour cut-out: 49.4,135.8 50.3,134.9 53.4,134.9 54.1,134.2 54.1,126.5 54.9,125.7 58.2,125.7 58.6,126.1 58.6,136.9 57.1,138.4 53.6,138.4 53.2,138.8 53.2,141.6 53.5,141.9 53.5,147.6 52.9,148.2 49.8,148.2 49.4,147.8
  pour cut-out: 74.5,136.1 75,135.6 80.2,135.6 81.2,134.6 81.2,126.5 81.8,125.9 85.5,125.9 86,126.4 86,136.1 83.5,138.6 78.5,138.6 78.2,138.9 78.2,141.9 78.6,142.3 78.6,147.2 77.7,148.1 75.2,148.1 74.5,147.4

## Silkscreen, mask and mechanical layers (free items; w line width, h text height)
Top Overlay:
  lines w0.254: 4,0 4,150 ; 89,0 89,150
Bottom Overlay:
  text "1" at 19.3,88.3 h10
  text "ZCTX-30_M1" at 20.6,84.9 h2
  text "13199542131" at 21,82.3 h2
  text "V1.8 20190715" at 21.7,80 h2
Mechanical 1:
  the board outline again, w0.254